# Altium PCB HAND_MULTILAYER.PcbDoc (part 1 of 3) (continued)
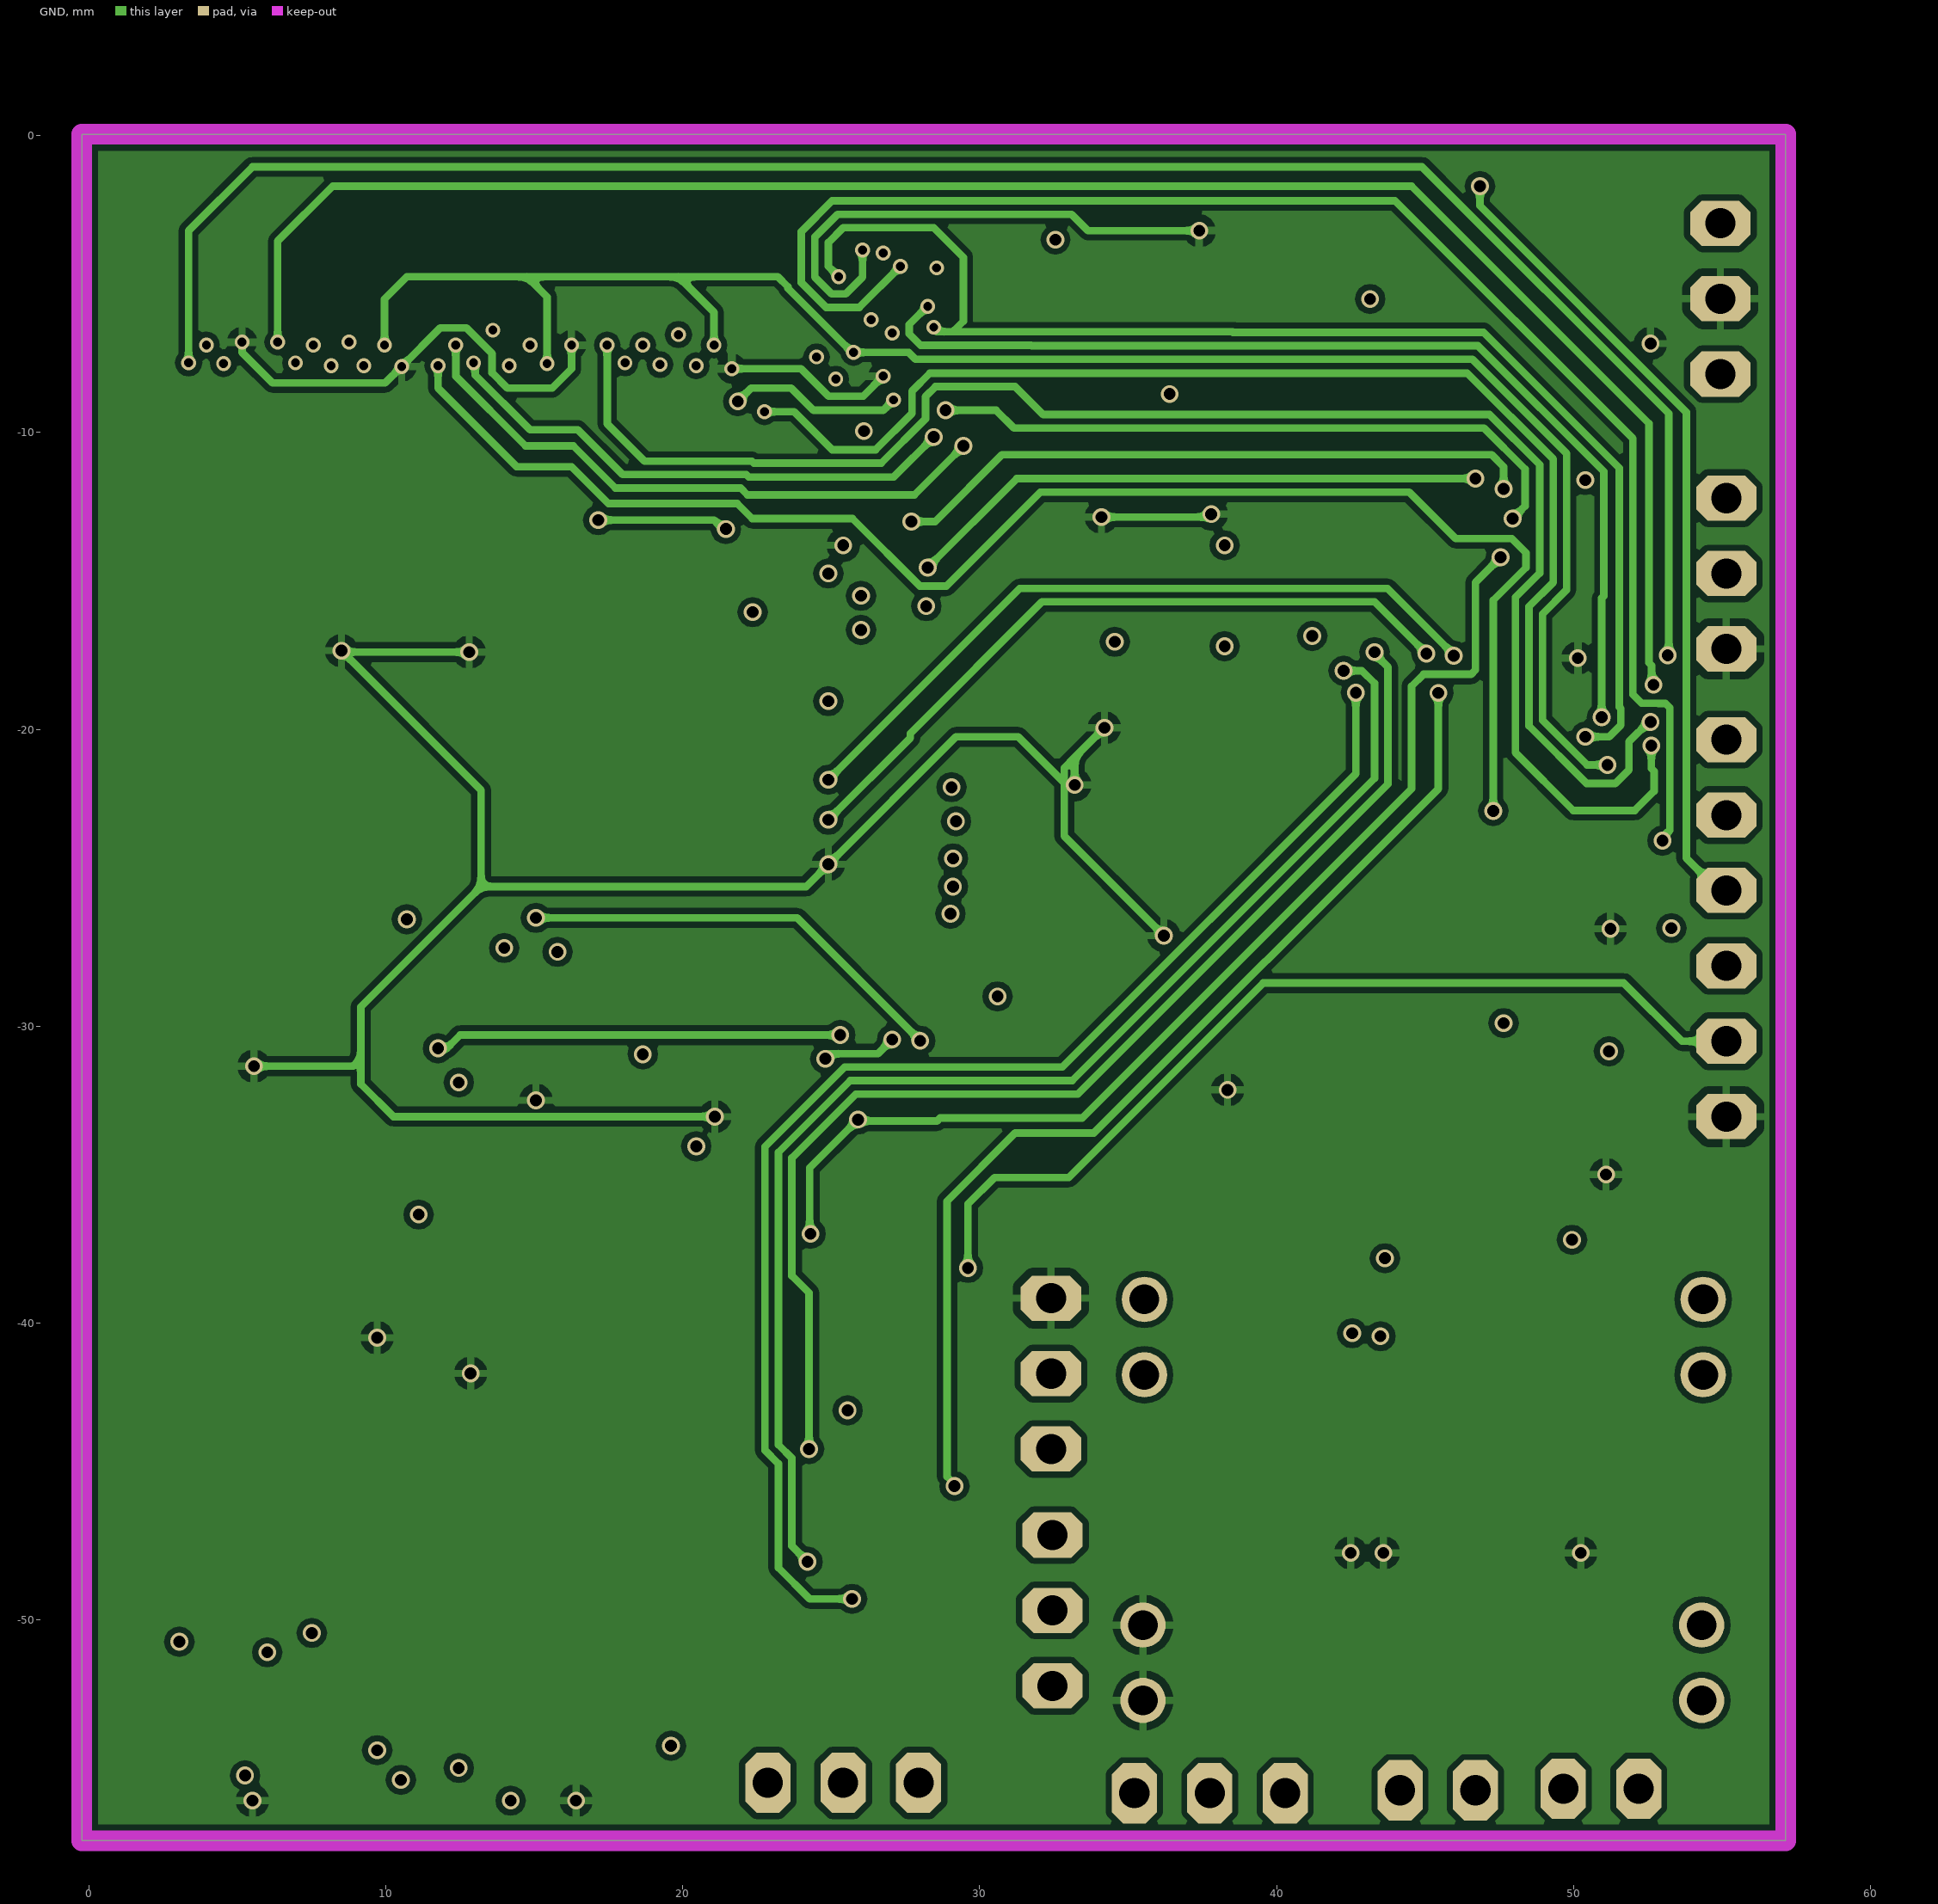
[diagram p3: GND]
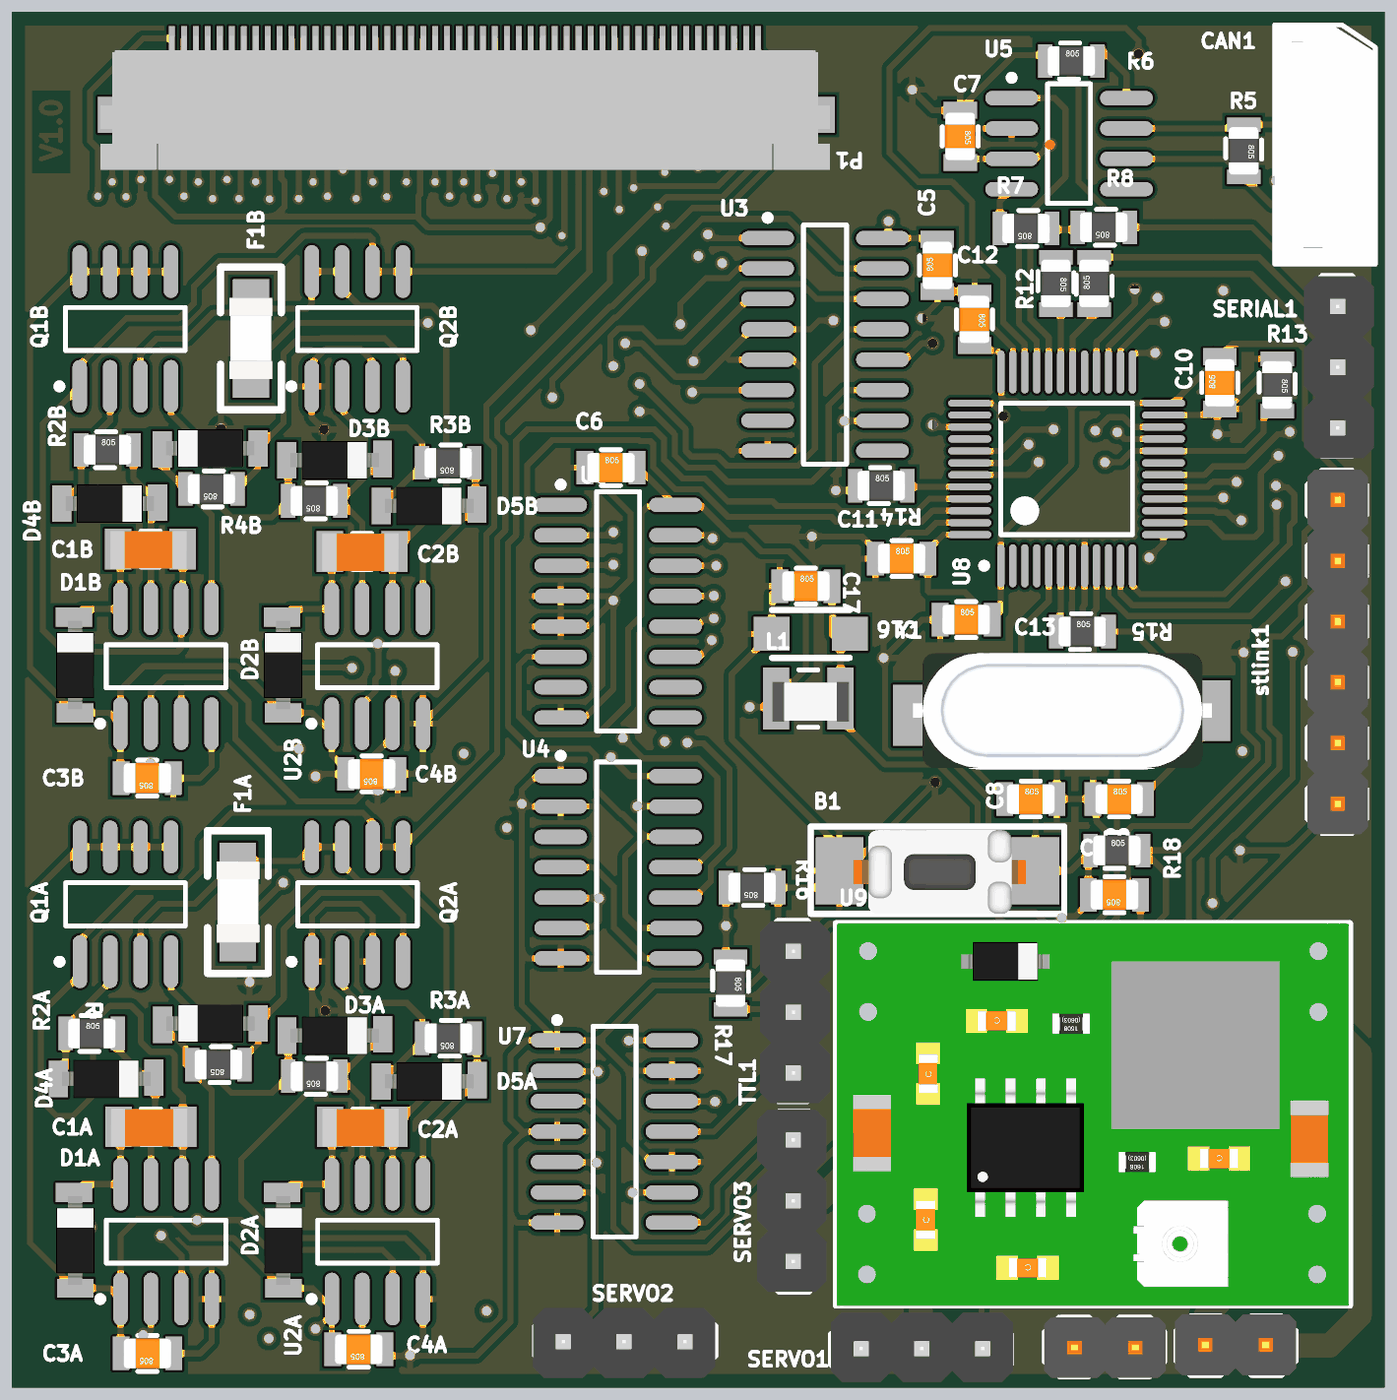
[diagram p6: 3D render of the assembled board from above, using the file's embedded part models]
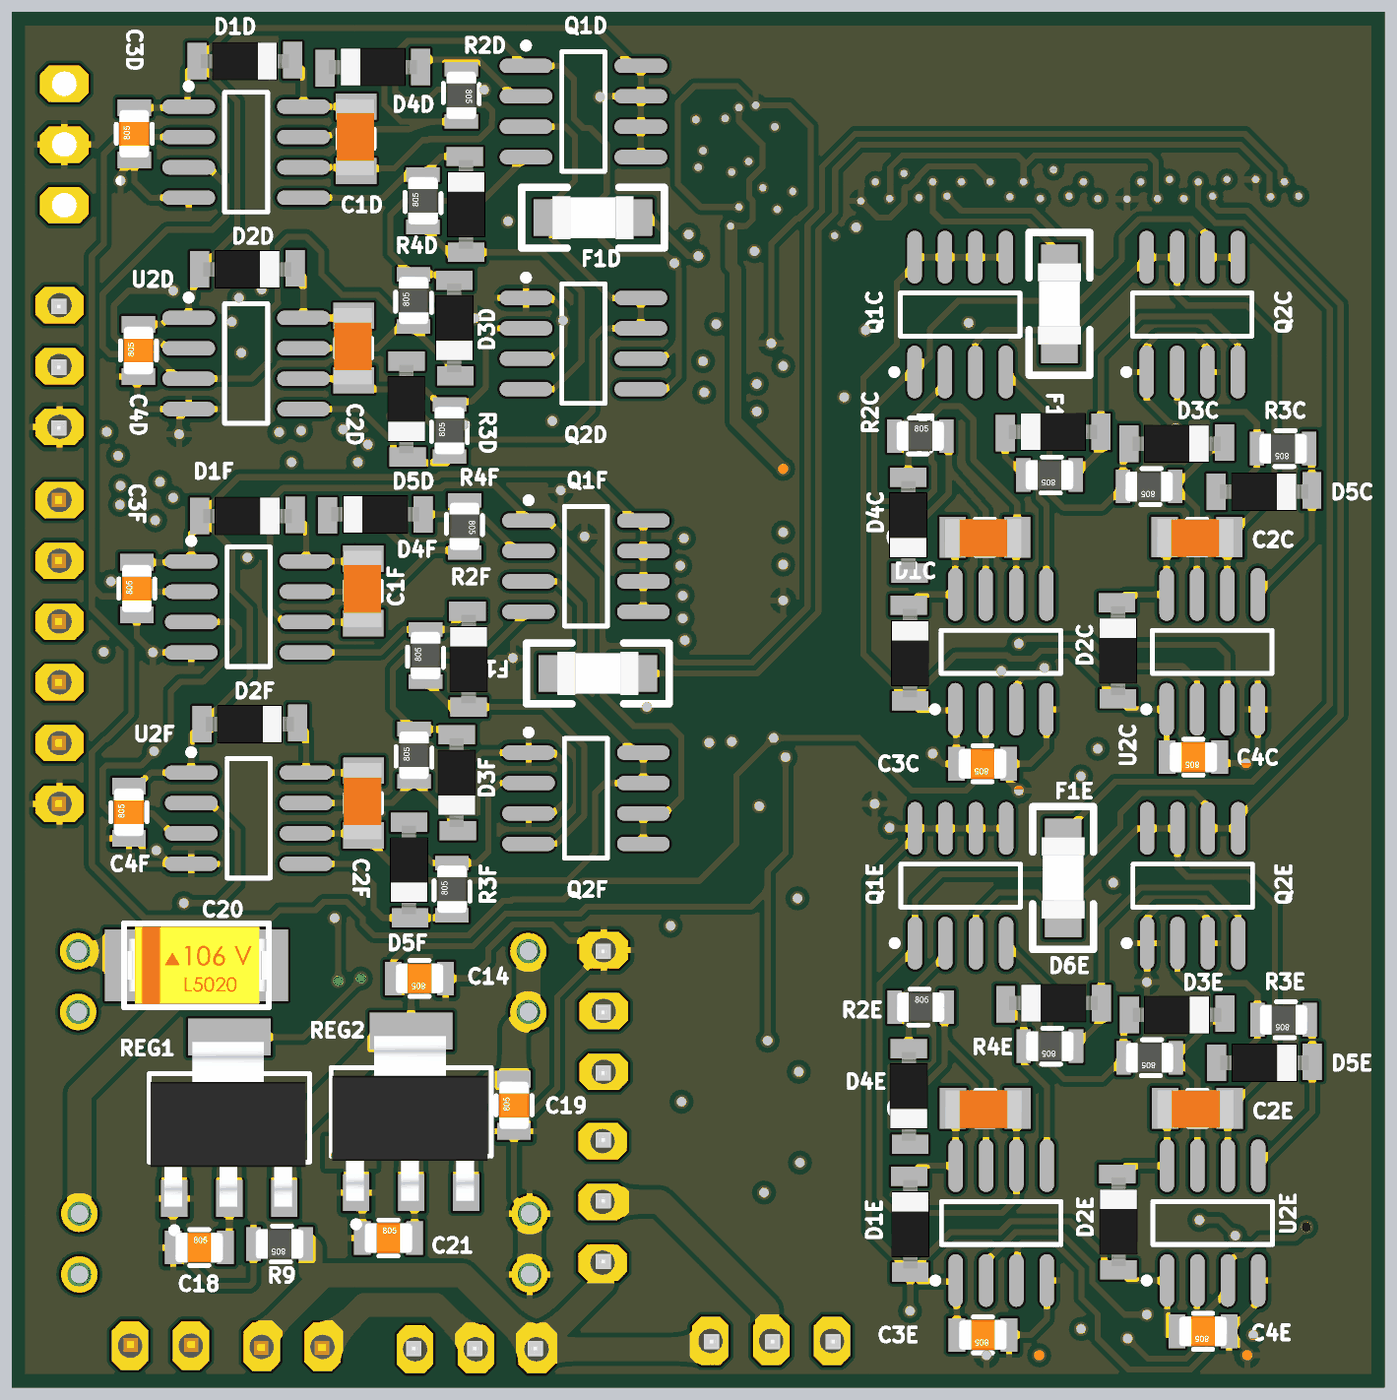
[diagram p7: 3D render of the assembled board from below, using the file's embedded part models]

## Layer stack, top to bottom
Top Solder: solder mask 0.0102, Solder Resist, Dk 3.5
Top Layer: signal copper 0.0356
Dielectric 1: core 0.254, FR-4, Dk 4.2
POWER: signal copper 0.036
Dielectric 3: prepreg 0.127, Dk 4.2
GND: signal copper 0.036
Dielectric 2: core 0.254, Dk 4.2
Bottom Layer: signal copper 0.0356
Bottom Solder: solder mask 0.0102, Solder Resist, Dk 3.5

## Board outline
-0.25,-57.45 -0.25,0.05 57.15,0.05 57.15,-57.45

## Design rules (kind name [scope] priority, off if disabled: settings)
Clearance [All] p1: gap=0.2 ignorepadtopadclearanceinfootprint=FALSE
PolygonConnect [All] p1: connectstyle=Relief reliefconductorwidth=0.254 reliefentries=4 polygonreliefangle="90 Angle" airgapwidth=0.254
RoomDefinition B4 [InComponentClass('B4')] p1: confinementstyle=ConfineIn formatcopy=TRUE lockcomponents=FALSE outline 53.755,-19.643 53.755,-0.543 29.155,-0.543 29.155,-19.643
RoomDefinition B3 [InComponentClass('B3')] p2: confinementstyle=ConfineIn formatcopy=TRUE lockcomponents=FALSE outline 1.967,-33.105 21.067,-33.105 21.067,-8.505 1.967,-8.505
RoomDefinition B1 [InComponentClass('B1')] p3: confinementstyle=ConfineIn formatcopy=TRUE lockcomponents=FALSE outline 20.007,-57.75 20.007,-33.15 0.407,-33.15 0.407,-57.75
RoomDefinition B5 [InComponentClass('B5')] p4: confinementstyle=ConfineIn formatcopy=TRUE lockcomponents=FALSE outline 1.95,-56.98 21.05,-56.98 21.05,-32.38 1.95,-32.38
RoomDefinition B2 [InComponentClass('B2')] p5: confinementstyle=ConfineIn formatcopy=TRUE lockcomponents=FALSE outline 20,-33.7 20,-9.1 0.4,-9.1 0.4,-33.7
RoomDefinition B6 [InComponentClass('B6')] p6: confinementstyle=ConfineIn formatcopy=TRUE lockcomponents=FALSE outline 53.65,-38.65 53.65,-19.55 29.05,-19.55 29.05,-38.65
RoutingVias [All] p1: holewidth=0.3 width=1.27 viastyle="Through Hole" minholewidth=0.2 minwidth=1.27 maxholewidth=0.711 maxwidth=1.27
SolderMaskExpansion [All] p1: expansion=0.102 istentingtop=FALSE
SupplyNets "Schematic Supply Nets_6" [InNet('SERVO_VIN')] p1: voltage=0.000
SupplyNets "Schematic Supply Nets_5" [InNet('VDD')] p2: voltage=0.000
SupplyNets "Schematic Supply Nets_4" [InNet('+3.3')] p3: voltage=0.000
SupplyNets "Schematic Supply Nets_3" [InNet('SERVO_GND')] p4: voltage=0.000
SupplyNets "Schematic Supply Nets_2" [InNet('GND')] p5: voltage=0.000
SupplyNets "Schematic Supply Nets_1" [InNet('BRIDGE_VDDA')] p6: voltage=0.000
SupplyNets "Schematic Supply Nets" [InNet('+7')] p7: voltage=0.000
Width [All] p1: maxlimit=5 minlimit=0.2 preferedwidth=0.3 toplayer_prefwidth=0.254 midlayer1_minwidth=0.254 midlayer1_maxwidth=3 midlayer1_prefwidth=0.254 midlayer2_minwidth=0.254 midlayer2_maxwidth=3 midlayer2_prefwidth=0.254 minimp=50.000000 maximp=50.000000 favimp=50.000000
30 further rules are at their usual default settings.

## Classes and differential pairs
channel class Bridge: B1 B2 B3 B4 B5 B6
component class Designator: C5 U3
component class B6: C1F C2F C3F C4F D1F D2F D3F D4F D5F D6F F1F Q1F Q2F R1F R2F R3F R4F U1F U2F
component class B5: C1E C2E C3E C4E D1E D2E D3E D4E D5E D6E F1E Q1E Q2E R1E R2E R3E R4E U1E U2E
component class B4: C1D C2D C3D C4D D1D D2D D3D D4D D5D D6D F1D Q1D Q2D R1D R2D R3D R4D U1D U2D
component class B3: C1C C2C C3C C4C D1C D2C D3C D4C D5C D6C F1C Q1C Q2C R1C R2C R3C R4C U1C U2C
component class B2: C1B C2B C3B C4B D1B D2B D3B D4B D5B D6B F1B Q1B Q2B R1B R2B R3B R4B U1B U2B
component class PULSE_SELECT1: U4
component class B1: C1A C2A C3A C4A D1A D2A D3A D4A D5A D6A F1A Q1A Q2A R1A R2A R3A R4A U1A U2A
component class main: B1 C6 C7 C8 C9 C10 C11 C12 C13 C14 C15 C16 C17 C18 C19 C20 C21 CAN1 L1 P1 pw R5 R6 R7 R8 R9 R11 R12 R13 R14 R15 R16 R17 R18 REG1 REG2 SERIAL1 SERVO1 SERVO2 SERVO3 servopw stlink1 TTL1 U5 U6 U7 U8 U9 Y1

## Components (designator, comment, footprint, x,y, rotation, side; value= is the part's Value field where it differs from the comment)
B1 "RESET" "SMD PUSH BUTTON" 38.55,-35.85 r0 top
C1A "470NF" MY_CAP_SMD_1206 5.572,-46.55 r180 top (schematic designator C1)
C1B "470NF" MY_CAP_SMD_1206 5.55,-22.4 r180 top (schematic designator C1)
C1C "470NF" MY_CAP_SMD_1206 16.467,-21.905 r0 bottom (schematic designator C1)
C1D "470NF" MY_CAP_SMD_1206 42.75,-5.25 r90 bottom (schematic designator C1)
C1E "470NF" MY_CAP_SMD_1206 16.45,-45.78 r0 bottom (schematic designator C1)
C1F "470NF" MY_CAP_SMD_1206 42.45,-24.15 r90 bottom (schematic designator C1)
C2A "470NF" MY_CAP_SMD_1206 14.407,-46.55 r180 top (schematic designator C2)
C2B "470NF" MY_CAP_SMD_1206 14.4,-22.5 r180 top (schematic designator C2)
C2C "470NF" MY_CAP_SMD_1206 7.6,-21.9 r0 bottom (schematic designator C2)
C2D "470NF" MY_CAP_SMD_1206 42.85,-14 r90 bottom (schematic designator C2)
C2E "470NF" MY_CAP_SMD_1206 7.583,-45.775 r0 bottom (schematic designator C2)
C2F "470NF" MY_CAP_SMD_1206 42.445,-33.017 r90 bottom (schematic designator C2)
C3A "100NF" MY_CAP_SMD_0805 5.425,-56.025 r180 top (schematic designator C3)
C3B "100NF" MY_CAP_SMD_0805 5.418,-31.975 r180 top (schematic designator C3)
C3C "100NF" MY_CAP_SMD_0805 16.567,-31.375 r0 bottom (schematic designator C3)
C3D "100NF" MY_CAP_SMD_0805 52.025,-5.043 r90 bottom (schematic designator C3)
C3E "100NF" MY_CAP_SMD_0805 16.55,-55.25 r0 bottom (schematic designator C3)
C3F "100NF" MY_CAP_SMD_0805 51.92,-24.05 r90 bottom (schematic designator C3)
C4A "100NF" MY_CAP_SMD_0805 14.258,-55.85 r180 top (schematic designator C4)
C4B "100NF" MY_CAP_SMD_0805 14.8,-31.8 r180 top (schematic designator C4)
C4C "100NF" MY_CAP_SMD_0805 7.75,-31.1 r0 bottom (schematic designator C4)
C4D "100NF" MY_CAP_SMD_0805 51.85,-14.1 r90 bottom (schematic designator C4)
C4E "100NF" MY_CAP_SMD_0805 7.35,-55.1 r0 bottom (schematic designator C4)
C4F "100NF" MY_CAP_SMD_0805 52.25,-33.4 r90 bottom (schematic designator C4)
C5 "100n" MY_CAP_SMD_0805 38.45,-10.542 r90 top
C6 "100n" MY_CAP_SMD_0805 24.8,-19 r0 top
C7 "100NF" MY_CAP_SMD_0805 39.4,-5.15 r270 top
C8 "20p" MY_CAP_SMD_0805 42.35,-32.85 r0 top
C9 "20p" MY_CAP_SMD_0805 46.042,-32.85 r0 top
C10 "100n" MY_CAP_SMD_0805 50.25,-15.45 r90 top
C11 "100n" MY_CAP_SMD_0805 36.95,-22.8 r0 top
C12 "100n" MY_CAP_SMD_0805 40,-12.8 r270 top
C13 "100n" MY_CAP_SMD_0805 39.65,-25.35 r0 top
C14 "100NF" MY_CAP_SMD_0805 40.1,-40.35 r0 bottom
C15 "22Pf" MY_CAP_SMD_0805 45.85,-36.85 r180 top
C16 "10uf" MY_cap_smd10uf 33.15,-25.95 r180 top
C17 "100n" MY_CAP_SMD_0805 32.95,-23.95 r0 top
C18 "100n" MY_CAP_SMD_0805 49.308,-51.6 r180 bottom
C19 "100n" MY_CAP_SMD_0805 36.15,-45.65 r90 bottom
C20 "Cap" MY_CAP_SMD-C 49.7,-39.9 r180 bottom value=3300u
C21 "100n" MY_CAP_SMD_0805 41.4,-51.2 r180 bottom
CAN1 "pin_gerd" MY_PINGERD3 54.95,-5.49 r90 top
D1A "1N4148" MY_DIOD1N5822_SMD 2.407,-51.25 r90 top (schematic designator D1)
D1B "1N4148" MY_DIOD1N5822_SMD 2.4,-27.2 r90 top (schematic designator D1)
D1C "1N4148" MY_DIOD1N5822_SMD 19.6,-26.7 r90 bottom (schematic designator D1)
D1D "1N4148" MY_DIOD1N5822_SMD 47.35,-2.01 r180 bottom (schematic designator D1)
D1E "1N4148" MY_DIOD1N5822_SMD 19.583,-50.575 r90 bottom (schematic designator D1)
D1F "1N4148" MY_DIOD1N5822_SMD 47.245,-21.017 r180 bottom (schematic designator D1)
D2A "1N4148" MY_DIOD1N5822_SMD 11.107,-51.25 r90 top (schematic designator D2)
D2B "1N4148" MY_DIOD1N5822_SMD 11.1,-27.2 r90 top (schematic designator D2)
D2C "1N4148" MY_DIOD1N5822_SMD 10.9,-26.6 r90 bottom (schematic designator D2)
D2D "1N4148" MY_DIOD1N5822_SMD 47.25,-10.71 r180 bottom (schematic designator D2)
D2E "1N4148" MY_DIOD1N5822_SMD 10.883,-50.475 r90 bottom (schematic designator D2)
D2F "1N4148" MY_DIOD1N5822_SMD 47.145,-29.717 r180 bottom (schematic designator D2)
D3A "1N4148" MY_DIOD1N5822_SMD 13.307,-42.737 r0 top (schematic designator D3)
D3B "1N4148" MY_DIOD1N5822_SMD 13.3,-18.687 r0 top (schematic designator D3)
D3C "1N4148" MY_DIOD1N5822_SMD 8.4,-18 r180 bottom (schematic designator D3)
D3D "1N4148" MY_DIOD1N5822_SMD 38.65,-13.21 r270 bottom (schematic designator D3)
D3E "1N4148" MY_DIOD1N5822_SMD 8.383,-41.875 r180 bottom (schematic designator D3)
D3F "1N4148" MY_DIOD1N5822_SMD 38.545,-32.217 r270 bottom (schematic designator D3)
D4A "1N4148" MY_DIOD1N5822_SMD 3.75,-44.55 r0 top (schematic designator D4)
D4B "1N4148" MY_DIOD1N5822_SMD 3.9,-20.5 r0 top (schematic designator D4)
D4C "1N4148" MY_DIOD1N5822_SMD 19.667,-21.455 r270 bottom (schematic designator D4)
D4D "1N4148" MY_DIOD1N5822_SMD 42.1,-2.25 r0 bottom (schematic designator D4)
D4E "1N4148" MY_DIOD1N5822_SMD 19.65,-45.33 r270 bottom (schematic designator D4)
D4F "1N4148" MY_DIOD1N5822_SMD 42,-20.95 r0 bottom (schematic designator D4)
D5A "1N4148" MY_DIOD1N5822_SMD 17.257,-44.65 r0 top (schematic designator D5)
D5B "1N4148" MY_DIOD1N5822_SMD 17.25,-20.6 r0 top (schematic designator D5)
D5C "1N4148" MY_DIOD1N5822_SMD 4.75,-20 r180 bottom (schematic designator D5)
D5D "1N4148" MY_DIOD1N5822_SMD 40.65,-16.6 r270 bottom (schematic designator D5)
D5E "1N4148" MY_DIOD1N5822_SMD 4.733,-43.875 r180 bottom (schematic designator D5)
D5F "1N4148" MY_DIOD1N5822_SMD 40.545,-35.867 r270 bottom (schematic designator D5)
D6A "1N4148" MY_DIOD1N5822_SMD 8.007,-42.237 r180 top (schematic designator D6)
D6B "1N4148" MY_DIOD1N5822_SMD 8,-18.187 r180 top (schematic designator D6)
D6C "1N4148" MY_DIOD1N5822_SMD 13.667,-17.505 r0 bottom (schematic designator D6)
D6D "1N4148" MY_DIOD1N5822_SMD 38.155,-7.943 r90 bottom (schematic designator D6)
D6E "1N4148" MY_DIOD1N5822_SMD 13.65,-41.38 r0 bottom (schematic designator D6)
D6F "1N4148" MY_DIOD1N5822_SMD 38.05,-26.95 r90 bottom (schematic designator D6)
F1A "FUSE 1206" FUSE1206 9.207,-37.15 r270 top (schematic designator F1)
F1B "FUSE 1206" FUSE1206 9.75,-13.6 r270 top (schematic designator F1)
F1C "FUSE 1206" FUSE1206 13.35,-12.15 r90 bottom (schematic designator F1)
F1D "FUSE 1206" FUSE1206 32.85,-8.55 r180 bottom (schematic designator F1)
F1E "FUSE 1206" FUSE1206 13.2,-36.15 r90 bottom (schematic designator F1)
F1F "FUSE 1206" FUSE1206 32.65,-27.6 r180 bottom (schematic designator F1)
L1 "100UH" MY_SMD_INDUCTOR 33.05,-28.65 r0 top
P1 "FPC" FPC-50-POS-0.5-MM 28.45,-1.05 r270 top locked
pw "Header 2" My_1X02 49.66,-55.7 r180 top
Q1A "IRF7303" SO-8_N 4.507,-37.25 r90 top (schematic designator Q1)
Q1B "IRF7303" SO-8_N 4.5,-13.2 r90 top (schematic designator Q1)
Q1C "IRF7303" SO-8_N 17.5,-12.6 r90 bottom (schematic designator Q1)
Q1D "IRF7303" SO-8_N 33.25,-4.11 r180 bottom (schematic designator Q1)
Q1E "IRF7303" SO-8_N 17.483,-36.475 r90 bottom (schematic designator Q1)
Q1F "IRF7303" SO-8_N 33.145,-23.117 r180 bottom (schematic designator Q1)
Q2A "IRF7303" SO-8_N 14.207,-37.25 r90 top (schematic designator Q2)
Q2B "IRF7303" SO-8_N 14.2,-13.2 r90 top (schematic designator Q2)
Q2C "IRF7303" SO-8_N 7.8,-12.6 r90 bottom (schematic designator Q2)
Q2D "IRF7303" SO-8_N 33.25,-13.81 r180 bottom (schematic designator Q2)
Q2E "IRF7303" SO-8_N 7.783,-36.475 r90 bottom (schematic designator Q2)